# KiCad board TEC.kicad_pcb
title: 4 Channel TEC Controller; date: 2021-05-07; rev: A; company: Brian Pepin
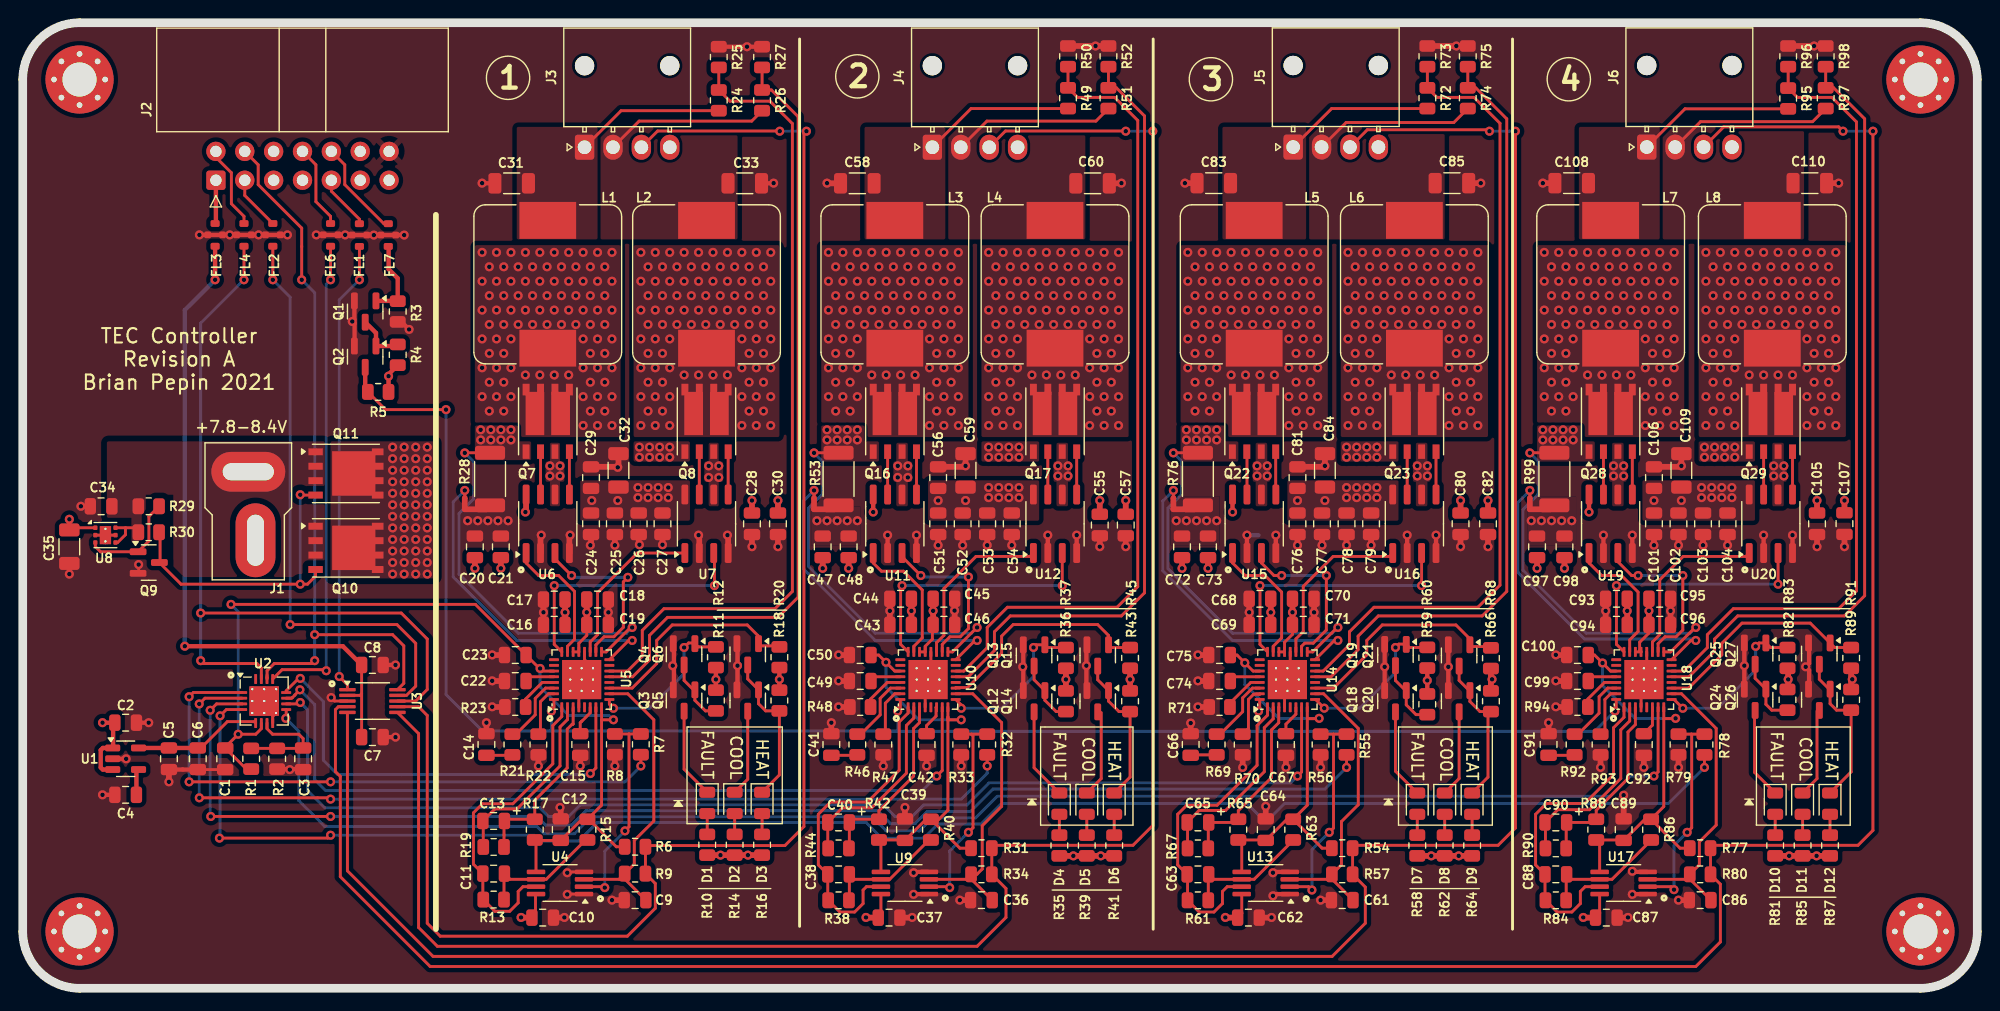
[diagram p0: board, top side]
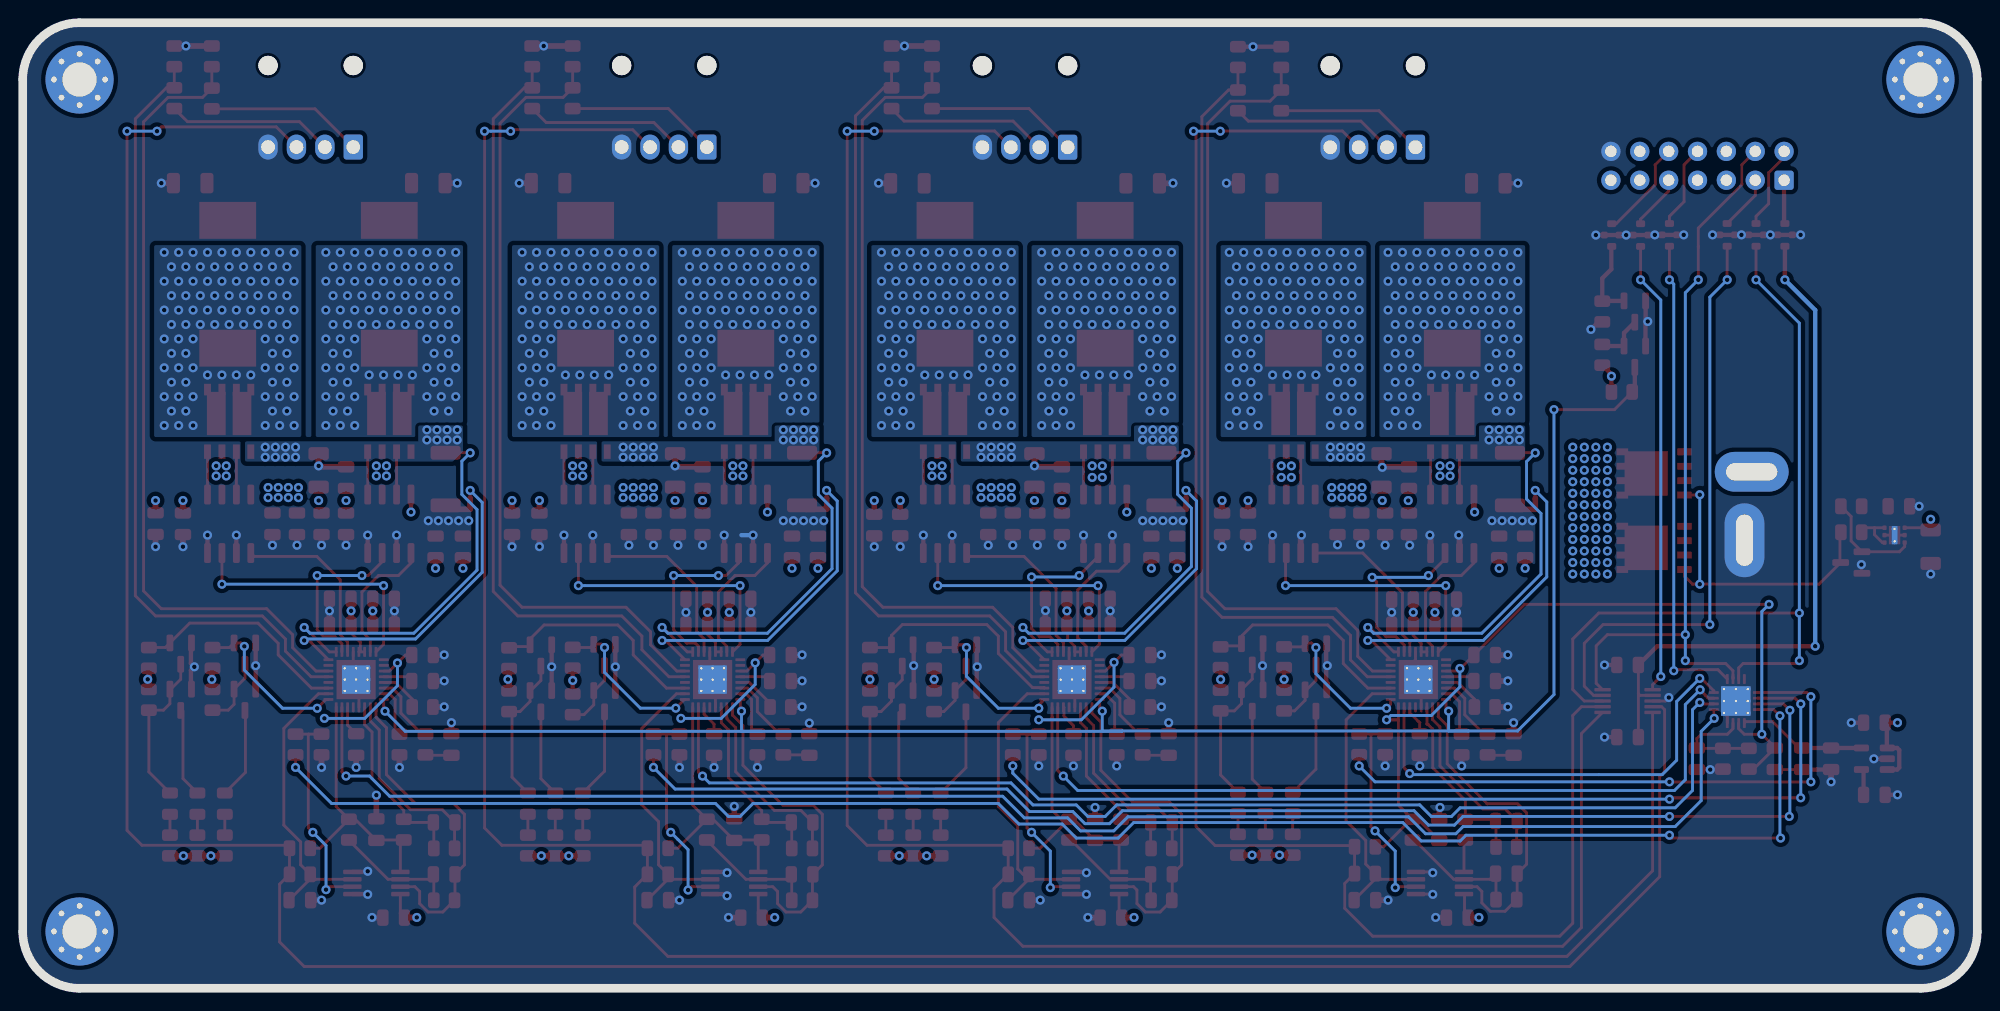
[diagram p1: board, bottom side, seen from below]

Outline 172 x 85 mm; copper layers: Top, In1.Cu (plane), In2.Cu (plane), Bottom. Coordinates in mm from the lower left corner of the outline.
Outline path: 0,80 0,5 arc(1.46,1.46) 5,0 167,0 arc(170.54,1.46) 172,5 172,80 arc(170.54,83.54) 167,85 5,85 arc(1.46,83.54) 0,80
Stack: Top 0.035mm / dielectric 0.48mm FR4 er 4.5 / In1.Cu 0.035mm / dielectric 0.48mm FR4 er 4.5 / In2.Cu 0.035mm / dielectric 0.48mm FR4 er 4.5 / Bottom 0.035mm

## Placement (name value [footprint] x y rotation side)
C1  .1uF  [C_0805_2012Metric]  17.82 20.21 90 top
C2  1uF  [C_0805_2012Metric]  9.05 23.38 0 top
C3  .1uF  [C_0805_2012Metric]  24.68 20.21 90 top
C4  1uF  [C_0805_2012Metric]  9.05 17.03 0 top
C5  1uF  [C_0805_2012Metric]  12.87 20.21 90 top
C6  .1uF  [C_0805_2012Metric]  15.41 20.21 90 top
C7  1uF  [C_0805_2012Metric]  30.77 22.11 0 top
C8  .1uF  [C_0805_2012Metric]  30.77 28.46 0 top
C9  .1uF film  [C_0805_2012Metric]  53.89 7.76 180 top
C10  .1uF  [C_0805_2012Metric]  45.76 6.22 180 top
C11  .1uF film  [C_0805_2012Metric]  41.44 10.09 0 top
C12  1uF  [C_0805_2012Metric]  47.35 13.97 90 top
C13  4.7uF tant  [C_0805_2012Metric]  41.44 14.73 180 top
C14  .1uF  [C_0805_2012Metric]  40.81 21.46 90 top
C15  1uF  [C_0805_2012Metric]  49.06 21.46 90 top
C16  .1uF  [C_0805_2012Metric]  46.77 32 0 top
C17  .1uF  [C_0805_2012Metric]  46.77 34.22 0 top
C18  10uF  [C_0805_2012Metric]  50.58 34.22 180 top
C19  10uF  [C_0805_2012Metric]  50.58 32 180 top
C20  .1uF  [C_0805_2012Metric]  39.79 38.86 270 top
C21  4.7uF  [C_0805_2012Metric]  42.08 38.86 270 top
C22  150pF  [C_0805_2012Metric]  43.34 27.05 180 top
C23  1uF  [C_0805_2012Metric]  43.34 29.33 180 top
C24  .1uF  [C_0805_2012Metric]  50.01 40.89 90 top
C25  4.7uF  [C_0805_2012Metric]  52.11 40.89 90 top
C26  .1uF  [C_0805_2012Metric]  54.2 40.89 90 top
C27  4.7uF  [C_0805_2012Metric]  56.3 40.89 90 top
C28  .1uF  [C_0805_2012Metric]  64.17 40.89 90 top
C29  10uF  [C_0805_2012Metric]  50.01 44.95 90 top
C30  4.7uF  [C_0805_2012Metric]  66.46 40.89 90 top
C31  22uF  [C_1206_3216Metric]  43.03 70.86 0 top
C32  47uF  [C_1206_3216Metric]  52.43 45.59 90 top
C33  22uF  [C_1206_3216Metric]  63.54 70.86 180 top
C34  10uF  [C_0805_2012Metric]  6.9 42.43 180 top
C35  22uF  [C_1206_3216Metric]  4.1 38.88 90 top
C36  .1uF film  [C_0805_2012Metric]  84.37 7.76 180 top
C37  .1uF  [C_0805_2012Metric]  76.24 6.22 180 top
C38  .1uF film  [C_0805_2012Metric]  71.79 10.03 0 top
C39  1uF  [C_0805_2012Metric]  77.64 13.97 90 top
C40  4.7uF tant  [C_0805_2012Metric]  71.79 14.6 180 top
C41  .1uF  [C_0805_2012Metric]  71.16 21.46 90 top
C42  1uF  [C_0805_2012Metric]  79.54 21.46 90 top
C43  .1uF  [C_0805_2012Metric]  77.25 32 0 top
C44  .1uF  [C_0805_2012Metric]  77.25 34.29 0 top
C45  10uF  [C_0805_2012Metric]  81.06 34.29 180 top
C46  10uF  [C_0805_2012Metric]  81.06 32 180 top
C47  .1uF  [C_0805_2012Metric]  70.4 38.86 270 top
C48  4.7uF  [C_0805_2012Metric]  72.68 38.86 270 top
C49  150pF  [C_0805_2012Metric]  73.7 27.05 180 top
C50  1uF  [C_0805_2012Metric]  73.7 29.33 180 top
C51  .1uF  [C_0805_2012Metric]  80.56 40.89 90 top
C52  4.7uF  [C_0805_2012Metric]  82.72 40.89 90 top
C53  .1uF  [C_0805_2012Metric]  84.87 40.89 90 top
C54  4.7uF  [C_0805_2012Metric]  87.03 40.89 90 top
C55  .1uF  [C_0805_2012Metric]  94.78 40.78 90 top
C56  10uF  [C_0805_2012Metric]  80.56 44.95 90 top
C57  4.7uF  [C_0805_2012Metric]  97.07 40.78 90 top
C58  22uF  [C_1206_3216Metric]  73.44 70.86 0 top
C59  47uF  [C_1206_3216Metric]  82.97 45.59 90 top
C60  22uF  [C_1206_3216Metric]  94.15 70.86 180 top
C61  .1uF film  [C_0805_2012Metric]  116.12 7.76 180 top
C62  .1uF  [C_0805_2012Metric]  107.86 6.22 180 top
C63  .1uF film  [C_0805_2012Metric]  103.42 10.03 0 top
C64  1uF  [C_0805_2012Metric]  109.38 13.97 90 top
C65  4.7uF tant  [C_0805_2012Metric]  103.42 14.6 180 top
C66  .1uF  [C_0805_2012Metric]  102.78 21.46 90 top
C67  1uF  [C_0805_2012Metric]  111.16 21.46 90 top
C68  .1uF  [C_0805_2012Metric]  108.88 34.29 0 top
C69  .1uF  [C_0805_2012Metric]  108.88 32 0 top
C70  10uF  [C_0805_2012Metric]  112.69 34.29 180 top
C71  10uF  [C_0805_2012Metric]  112.69 32 180 top
C72  .1uF  [C_0805_2012Metric]  102.02 38.86 270 top
C73  4.7uF  [C_0805_2012Metric]  104.31 38.86 270 top
C74  150pF  [C_0805_2012Metric]  105.32 27.05 180 top
C75  1uF  [C_0805_2012Metric]  105.32 29.33 180 top
C76  .1uF  [C_0805_2012Metric]  112.18 40.89 90 top
C77  4.7uF  [C_0805_2012Metric]  114.34 40.89 90 top
C78  .1uF  [C_0805_2012Metric]  116.5 40.89 90 top
C79  4.7uF  [C_0805_2012Metric]  118.66 40.89 90 top
C80  .1uF  [C_0805_2012Metric]  126.53 40.89 90 top
C81  10uF  [C_0805_2012Metric]  112.18 44.95 90 top
C82  4.7uF  [C_0805_2012Metric]  128.94 40.89 90 top
C83  22uF  [C_1206_3216Metric]  104.81 70.88 0 top
C84  47uF  [C_1206_3216Metric]  114.59 45.59 90 top
C85  22uF  [C_1206_3216Metric]  125.77 70.88 180 top
C86  .1uF film  [C_0805_2012Metric]  147.61 7.76 180 top
C87  .1uF  [C_0805_2012Metric]  139.36 6.22 180 top
C88  .1uF film  [C_0805_2012Metric]  134.91 10.03 0 top
C89  1uF  [C_0805_2012Metric]  140.88 13.97 90 top
C90  4.7uF tant  [C_0805_2012Metric]  134.91 14.6 180 top
C91  .1uF  [C_0805_2012Metric]  134.28 21.46 90 top
C92  1uF  [C_0805_2012Metric]  142.66 21.46 90 top
C93  .1uF  [C_0805_2012Metric]  140.25 34.29 0 top
C94  .1uF  [C_0805_2012Metric]  140.25 32 0 top
C95  10uF  [C_0805_2012Metric]  144.06 34.29 180 top
C96  10uF  [C_0805_2012Metric]  144.06 32 180 top
C97  .1uF  [C_0805_2012Metric]  133.26 38.86 270 top
C98  4.7uF  [C_0805_2012Metric]  135.67 38.86 270 top
C99  150pF  [C_0805_2012Metric]  136.82 27.05 180 top
C100  1uF  [C_0805_2012Metric]  136.82 29.33 180 top
C101  .1uF  [C_0805_2012Metric]  143.55 40.89 90 top
C102  4.7uF  [C_0805_2012Metric]  145.71 40.89 90 top
C103  .1uF  [C_0805_2012Metric]  147.87 40.89 90 top
C104  4.7uF  [C_0805_2012Metric]  150.03 40.89 90 top
C105  .1uF  [C_0805_2012Metric]  157.9 40.89 90 top
C106  10uF  [C_0805_2012Metric]  143.55 44.95 90 top
C107  4.7uF  [C_0805_2012Metric]  160.31 40.91 90 top
C108  22uF  [C_1206_3216Metric]  136.31 70.88 0 top
C109  47uF  [C_1206_3216Metric]  145.96 45.59 90 top
C110  22uF  [C_1206_3216Metric]  157.26 70.88 180 top
D1  RED  [LED_0805_2012Metric]  60.24 16.32 270 top
D2  BLU  [LED_0805_2012Metric]  62.65 16.32 270 top
D3  YEL  [LED_0805_2012Metric]  65.06 16.32 270 top
D4  RED  [LED_0805_2012Metric]  91.22 16.25 270 top
D5  BLU  [LED_0805_2012Metric]  93.64 16.25 270 top
D6  YEL  [LED_0805_2012Metric]  96.05 16.25 270 top
D7  RED  [LED_0805_2012Metric]  122.72 16.25 270 top
D8  BLU  [LED_0805_2012Metric]  125.13 16.25 270 top
D9  YEL  [LED_0805_2012Metric]  127.55 16.25 270 top
D10  RED  [LED_0805_2012Metric]  154.22 16.25 270 top
D11  BLU  [LED_0805_2012Metric]  156.63 16.25 270 top
D12  YEL  [LED_0805_2012Metric]  159.04 16.25 270 top
FL1  NFL21SP206X1C7D  [EMI_805]  29.63 66.31 90 top
FL2  NFL21SP206X1C7D  [EMI_805]  22.01 66.32 90 top
FL3  NFL21SP206X1C7D  [EMI_805]  16.93 66.32 90 top
FL4  NFL21SP206X1C7D  [EMI_805]  19.47 66.32 90 top
FL6  NFL21SP206X1C7D  [EMI_805]  27.09 66.32 90 top
FL7  NFL21SP206X1C7D  [EMI_805]  32.17 66.31 90 top
H1  MountingHole_Pad  [MountingHole_3mm_Pad_Via]  167 80 0 top
H2  MountingHole_Pad  [MountingHole_3mm_Pad_Via]  5 80 0 top
H3  MountingHole_Pad  [MountingHole_3mm_Pad_Via]  5 5 0 top
H4  MountingHole_Pad  [MountingHole_3mm_Pad_Via]  167 5 0 top
J1  DEANS  [Connector_Deans_Male]  19.85 42.94 0 top
J2  Data  [IDC-Header_2x07_P2.54mm_Horizontal]  17 71.13 90 top
J3  Conn_01x04  [Molex_Nano-Fit_105313-xx04_1x04_P2.50mm_Horizontal]  49.44 74.04 90 top
J4  Conn_01x04  [Molex_Nano-Fit_105313-xx04_1x04_P2.50mm_Horizontal]  80.05 74.04 90 top
J5  Conn_01x04  [Molex_Nano-Fit_105313-xx04_1x04_P2.50mm_Horizontal]  111.8 74.05 90 top
J6  Conn_01x04  [Molex_Nano-Fit_105313-xx04_1x04_P2.50mm_Horizontal]  142.91 74.05 90 top
L1  10uH  [L_Pulse_PA4343_2]  46.2 61.97 90 top
L2  10uH  [L_Pulse_PA4343_2]  60.17 61.97 270 top
L3  10uH  [L_Pulse_PA4343_2]  76.75 61.97 90 top
L4  10uH  [L_Pulse_PA4343_2]  90.84 61.97 270 top
L5  10uH  [L_Pulse_PA4343_2]  108.37 61.97 90 top
L6  10uH  [L_Pulse_PA4343_2]  122.47 61.97 270 top
L7  10uH  [L_Pulse_PA4343_2]  139.74 61.97 90 top
L8  10uH  [L_Pulse_PA4343_2]  153.96 61.97 270 top
NT1  Net-Tie_2  [NetTie-2_SMD_Pad0.5mm]  38.9 42.67 270 top
NT2  Net-Tie_2  [NetTie-2_SMD_Pad0.5mm]  69.63 42.67 270 top
NT3  Net-Tie_2  [NetTie-2_SMD_Pad0.5mm]  101.26 42.67 270 top
NT4  Net-Tie_2  [NetTie-2_SMD_Pad0.5mm]  132.63 42.67 270 top
Q1  2N7002PW  [SOT-23]  30.14 59.58 270 top
Q2  2N7002PW  [SOT-23]  30.14 55.6 270 top
Q3  2N7002PW  [SOT-23]  58.2 25.33 270 top
Q4  2N7002PW  [SOT-23]  58.2 29.4 270 top
Q5  2N7002PW  [SOT-23]  63.8 25.33 270 top
Q6  2N7002PW  [SOT-23]  63.8 29.4 270 top
Q7  SQJ504EP  [PowerPAK_SO-8_Dual]  46.2 49.91 90 top
Q8  SQJ504EP  [PowerPAK_SO-8_Dual]  60.17 49.91 90 top
Q9  2N7002PW  [SOT-23]  11.09 37.48 0 top
Q10  Si7141DP  [PowerPAK_SO-8_Single]  28.44 38.77 0 top
Q11  Si7141DP  [PowerPAK_SO-8_Single]  28.44 45.32 0 top
Q12  2N7002PW  [SOT-23]  89 25.27 270 top
Q13  2N7002PW  [SOT-23]  89 29.3 270 top
Q14  2N7002PW  [SOT-23]  94.6 25.27 270 top
Q15  2N7002PW  [SOT-23]  94.6 29.3 270 top
Q16  SQJ504EP  [PowerPAK_SO-8_Dual]  76.75 49.91 90 top
Q17  SQJ504EP  [PowerPAK_SO-8_Dual]  90.84 49.91 90 top
Q18  2N7002PW  [SOT-23]  120.8 25.27 270 top
Q19  2N7002PW  [SOT-23]  120.8 29.34 270 top
Q20  2N7002PW  [SOT-23]  126.4 25.27 270 top
Q21  2N7002PW  [SOT-23]  126.4 29.3 270 top
Q22  SQJ504EP  [PowerPAK_SO-8_Dual]  108.36 49.91 90 top
Q23  SQJ504EP  [PowerPAK_SO-8_Dual]  122.47 49.91 90 top
Q24  2N7002PW  [SOT-23]  152.45 25.4 270 top
Q25  2N7002PW  [SOT-23]  152.45 29.46 270 top
Q26  2N7002PW  [SOT-23]  158.1 25.4 270 top
Q27  2N7002PW  [SOT-23]  158.1 29.46 270 top
Q28  SQJ504EP  [PowerPAK_SO-8_Dual]  139.74 49.91 90 top
Q29  SQJ504EP  [PowerPAK_SO-8_Dual]  153.84 49.91 90 top
R1  10k  [R_0805_2012Metric]  20.1 20.21 90 top
R2  10k  [R_0805_2012Metric]  22.39 20.21 270 top
R3  100k  [R_0805_2012Metric]  33 59.58 90 top
R4  100k  [R_0805_2012Metric]  33 55.77 270 top
R5  100k  [R_0805_2012Metric]  31.28 52.5 0 top
R6  15.4k 1%  [R_0805_2012Metric]  53.89 12.46 0 top
R7  6.65k 1%  [R_0805_2012Metric]  54.39 21.48 270 top
R8  13.3k 1%  [R_0805_2012Metric]  52.11 21.48 90 top
R9  10k 1%  [R_0805_2012Metric]  53.89 10.09 0 top
R10  1.5k  [R_0805_2012Metric]  60.24 12.63 270 top
R11  100k  [R_0805_2012Metric]  61 25.33 90 top
R12  100k  [R_0805_2012Metric]  61 29.14 270 top
R13  9.09k 1%  [R_0805_2012Metric]  41.44 7.81 0 top
R14  1.5k  [R_0805_2012Metric]  62.65 12.63 270 top
R15  1k 1%  [R_0805_2012Metric]  49.69 13.97 270 top
R16  1.5k  [R_0805_2012Metric]  65.06 12.63 270 top
R17  1M 1%  [R_0805_2012Metric]  45.06 13.97 270 top
R18  100k  [R_0805_2012Metric]  66.59 25.33 90 top
R19  10M 1%  [R_0805_2012Metric]  41.44 12.44 0 top
R20  100k  [R_0805_2012Metric]  66.59 29.14 270 top
R21  10k  [R_0805_2012Metric]  43.09 21.46 270 top
R22  82k  [R_0805_2012Metric]  45.38 21.46 270 top
R23  10k  [R_0805_2012Metric]  43.34 24.76 0 top
R24  8060  [R_0805_2012Metric]  61.25 78.17 270 top
R25  2050  [R_0805_2012Metric]  61.25 81.98 270 top
R26  8060  [R_0805_2012Metric]  65.06 78.17 270 top
R27  2050  [R_0805_2012Metric]  65.06 81.98 270 top
R28  .010  [R_2010_5025Metric]  41.12 44.83 90 top
R29  100k  [R_0805_2012Metric]  11.09 42.43 180 top
R30  100k  [R_0805_2012Metric]  11.09 40.14 180 top
R31  15.4k 1%  [R_0805_2012Metric]  84.37 12.33 0 top
R32  6.65k 1%  [R_0805_2012Metric]  84.87 21.46 270 top
R33  13.3k 1%  [R_0805_2012Metric]  82.59 21.46 90 top
R34  10k 1%  [R_0805_2012Metric]  84.37 10.03 0 top
R35  1.5k  [R_0805_2012Metric]  91.22 12.57 270 top
R36  100k  [R_0805_2012Metric]  91.8 25.27 90 top
R37  100k  [R_0805_2012Metric]  91.8 29.08 270 top
R38  9.09k 1%  [R_0805_2012Metric]  71.79 7.74 0 top
R39  1.5k  [R_0805_2012Metric]  93.64 12.57 270 top
R40  1k 1%  [R_0805_2012Metric]  79.92 13.97 270 top
R41  1.5k  [R_0805_2012Metric]  96.05 12.57 270 top
R42  1M 1%  [R_0805_2012Metric]  75.35 13.97 270 top
R43  100k  [R_0805_2012Metric]  97.45 25.27 90 top
R44  10M 1%  [R_0805_2012Metric]  71.79 12.32 0 top
R45  100k  [R_0805_2012Metric]  97.45 29.08 270 top
R46  10k  [R_0805_2012Metric]  73.44 21.46 270 top
R47  82k  [R_0805_2012Metric]  75.73 21.46 270 top
R48  10k  [R_0805_2012Metric]  73.7 24.76 0 top
R49  8060  [R_0805_2012Metric]  91.99 78.36 270 top
R50  2050  [R_0805_2012Metric]  91.99 82.04 270 top
R51  8060  [R_0805_2012Metric]  95.54 78.36 270 top
R52  2050  [R_0805_2012Metric]  95.54 82.04 270 top
R53  .010  [R_2010_5025Metric]  71.79 44.83 90 top
R54  15.4k 1%  [R_0805_2012Metric]  116.12 12.33 0 top
R55  6.65k 1%  [R_0805_2012Metric]  116.5 21.46 270 top
R56  13.3k 1%  [R_0805_2012Metric]  114.21 21.46 90 top
R57  10k 1%  [R_0805_2012Metric]  116.12 10.03 0 top
R58  1.5k  [R_0805_2012Metric]  122.72 12.57 270 top
R59  100k  [R_0805_2012Metric]  123.6 25 90 top
R60  100k  [R_0805_2012Metric]  123.6 29.1 270 top
R61  9.09k 1%  [R_0805_2012Metric]  103.42 7.74 0 top
R62  1.5k  [R_0805_2012Metric]  125.13 12.57 270 top
R63  1k 1%  [R_0805_2012Metric]  111.8 13.97 270 top
R64  1.5k  [R_0805_2012Metric]  127.55 12.57 270 top
R65  1M 1%  [R_0805_2012Metric]  106.97 13.97 270 top
R66  100k  [R_0805_2012Metric]  129.2 25.27 90 top
R67  10M 1%  [R_0805_2012Metric]  103.42 12.32 0 top
R68  100k  [R_0805_2012Metric]  129.2 29.06 270 top
R69  10k  [R_0805_2012Metric]  105.07 21.46 270 top
R70  82k  [R_0805_2012Metric]  107.35 21.46 270 top
R71  10k  [R_0805_2012Metric]  105.32 24.76 0 top
R72  8060  [R_0805_2012Metric]  123.61 78.36 270 top
R73  2050  [R_0805_2012Metric]  123.61 82.04 270 top
R74  8060  [R_0805_2012Metric]  127.16 78.36 270 top
R75  2050  [R_0805_2012Metric]  127.16 82.04 270 top
R76  .010  [R_2010_5025Metric]  103.42 44.83 90 top
R77  15.4k 1%  [R_0805_2012Metric]  147.61 12.33 0 top
R78  6.65k 1%  [R_0805_2012Metric]  147.99 21.46 270 top
R79  13.3k 1%  [R_0805_2012Metric]  145.71 21.46 90 top
R80  10k 1%  [R_0805_2012Metric]  147.61 10.03 0 top
R81  1.5k  [R_0805_2012Metric]  154.22 12.57 270 top
R82  100k  [R_0805_2012Metric]  155.3 25.4 90 top
R83  100k  [R_0805_2012Metric]  155.3 29.08 270 top
R84  9.09k 1%  [R_0805_2012Metric]  134.91 7.74 0 top
R85  1.5k  [R_0805_2012Metric]  156.63 12.57 270 top
R86  1k 1%  [R_0805_2012Metric]  143.29 13.97 270 top
R87  1.5k  [R_0805_2012Metric]  159.04 12.57 270 top
R88  1M 1%  [R_0805_2012Metric]  138.47 13.97 270 top
R89  100k  [R_0805_2012Metric]  160.9 25.4 90 top
R90  10M 1%  [R_0805_2012Metric]  134.91 12.32 0 top
R91  100k  [R_0805_2012Metric]  160.9 29.08 270 top
R92  10k  [R_0805_2012Metric]  136.56 21.46 270 top
R93  82k  [R_0805_2012Metric]  138.85 21.46 270 top
R94  10k  [R_0805_2012Metric]  136.82 24.76 0 top
R95  8060  [R_0805_2012Metric]  155.36 78.33 270 top
R96  2050  [R_0805_2012Metric]  155.36 82.04 270 top
R97  8060  [R_0805_2012Metric]  158.66 78.36 270 top
R98  2050  [R_0805_2012Metric]  158.66 82.04 270 top
R99  .010  [R_2010_5025Metric]  134.78 44.83 90 top
U1  LP3985-3.0  [SOT-23-5]  9.05 20.21 0 top
U2  DAC108S085CISQ  [WQFN-16-1EP_4x4mm_P0.5mm_EP2.6x2.6mm_ThermalVias]  21.25 25.29 0 top
U3  ADC104S021  [VSSOP-10_3x3mm_P0.5mm]  30.77 25.29 0 top
U4  LTC2053  [MSOP-8_3x3mm_P0.65mm]  47.28 9.27 180 top
U5  LTC1923EUH  [QFN-32-1EP_5x5mm_P0.5mm_EP3.45x3.45mm_ThermalVias]  49.19 27.17 90 top
U6  LTC1693-1  [SO-8_3.9x4.9mm_P1.27mm]  46.2 40.89 90 top
U7  LTC1693-1  [SO-8_3.9x4.9mm_P1.27mm]  60.17 40.89 90 top
U8  TPS7A26  [WSON-6-1EP_2x2mm_P0.65mm_EP1x1.6mm_ThermalVias]  7.28 39.89 0 top
U9  LTC2053  [MSOP-8_3x3mm_P0.65mm]  77.64 9.27 180 top
U10  LTC1923EUH  [QFN-32-1EP_5x5mm_P0.5mm_EP3.45x3.45mm_ThermalVias]  79.67 27.17 90 top
U11  LTC1693-1  [SO-8_3.9x4.9mm_P1.27mm]  76.75 40.89 90 top
U12  LTC1693-1  [SO-8_3.9x4.9mm_P1.27mm]  90.84 40.89 90 top
U13  LTC2053  [MSOP-8_3x3mm_P0.65mm]  109.38 9.27 180 top
U14  LTC1923EUH  [QFN-32-1EP_5x5mm_P0.5mm_EP3.45x3.45mm_ThermalVias]  111.29 27.17 90 top
U15  LTC1693-1  [SO-8_3.9x4.9mm_P1.27mm]  108.37 40.89 90 top
U16  LTC1693-1  [SO-8_3.9x4.9mm_P1.27mm]  122.47 40.89 90 top
U17  LTC2053  [MSOP-8_3x3mm_P0.65mm]  140.88 9.27 180 top
U18  LTC1923EUH  [QFN-32-1EP_5x5mm_P0.5mm_EP3.45x3.45mm_ThermalVias]  142.66 27.17 90 top
U19  LTC1693-1  [SO-8_3.9x4.9mm_P1.27mm]  139.74 40.89 90 top
U20  LTC1693-1  [SO-8_3.9x4.9mm_P1.27mm]  153.84 40.89 90 top

## Library data of the parts
C1 C3 C6 C8 C10 C14 C16 C17 C20 C24 C26 C28 C37 C41 C43 C44 C47 C51 C53 C55 C62 C66 C68 C69 C72 C76 C78 C80 C87 C91 C93 C94 C97 C101 C103 C105 = -: Description: Unpolarized capacitor; PartNo: VJ0805Y104KXXAT; ki_fp_filters: C_*
C2 C4 C5 C7 C12 C15 C23 C39 C42 C50 C64 C67 C75 C89 C92 C100 = -: Description: Unpolarized capacitor; PartNo: UMF212B7105KGHT; ki_fp_filters: C_*
C9 C11 C36 C38 C61 C63 C86 C88 = -: Description: Unpolarized capacitor; PartNo: FCA0805C104M-J2; ki_fp_filters: C_*
C13 C40 C65 C90 = -: Description: Polarized capacitor; PartNo: T529P475M025AAE300; ki_fp_filters: CP_*
C18 C19 C29 C34 C45 C46 C56 C70 C71 C81 C95 C96 C106 = -: Description: Unpolarized capacitor; PartNo: C2012X7S1E106K125AE; ki_fp_filters: C_*
C21 C25 C27 C30 C48 C52 C54 C57 C73 C77 C79 C82 C98 C102 C104 C107 = -: Description: Unpolarized capacitor; PartNo: C0805C475K3RACTU; ki_fp_filters: C_*
C22 C49 C74 C99 = -: Description: Unpolarized capacitor; PartNo: C0805C151J5GACTU; ki_fp_filters: C_*
C31 C33 C35 C58 C60 C83 C85 C108 C110 = -: Description: Unpolarized capacitor; PartNo: 12063D226MAT2A; ki_fp_filters: C_*
C32 C59 C84 C109 = -: Description: Unpolarized capacitor; PartNo: C3216X5R1E476M160AC; ki_fp_filters: C_*
D1 D4 D7 D10 = -: Description: Light emitting diode, filled shape; PartNo: APT2012LSECK/J3-PRV; ki_fp_filters: LED* LED_SMD:* LED_THT:*
D2 D5 D8 D11 = -: Description: Light emitting diode, filled shape; PartNo: 5973605607F; ki_fp_filters: LED* LED_SMD:* LED_THT:*
D3 D6 D9 D12 = -: Description: Light emitting diode, filled shape; PartNo: SM0805YCL; ki_fp_filters: LED* LED_SMD:* LED_THT:*
FL1-FL4 FL6 FL7 = -: Datasheet: http://www.murata.com/~/media/webrenewal/support/library/catalog/products/emc/emifil/c31e.ashx?la=en-gb; Description: EMI T-filter (CLC); ki_fp_filters: Filter* Resonator*
H1-H4 = -: Description: Mounting Hole with connection; ki_fp_filters: MountingHole*Pad*
J1 = -: Datasheet: http://cdn.sparkfun.com/datasheets/Prototyping/deans_connector_PRT-11864.pdf; Description: DEANS CONNECTOR
J2 = -: Description: Generic connector, double row, 02x07, odd/even pin numbering scheme (row 1 odd numbers, row 2 even numbers), script generated (kicad-library-utils/schlib/autogen/connector/); PartNo: 2-1761605-5; ki_fp_filters: Connector*:*_2x??_*
J3-J6 = -: Description: Generic connector, single row, 01x04, script generated (kicad-library-utils/schlib/autogen/connector/); PartNo: 105313-1304; ki_fp_filters: Connector*:*_1x??_*
L1-L8 = -: Description: Inductor; PartNo: PA4343.103ANLT; ki_fp_filters: Choke_* *Coil* Inductor_* L_*
NT1-NT4 = -: Description: Net tie, 2 pins; ki_fp_filters: Net*Tie*
Q1-Q6 Q9 Q12-Q15 Q18-Q21 Q24-Q27 = -: Datasheet: https://www.onsemi.com/pub/Collateral/NDS7002A-D.PDF; Description: 0.115A Id, 60V Vds, N-Channel MOSFET, SOT-23; PartNo: 2N7002PW,115; ki_fp_filters: SOT?23*
Q7 Q8 Q16 Q17 Q22 Q23 Q28 Q29 = -: Datasheet: https://www.mouser.com/datasheet/2/427/sqj504ep-1766485.pdf; PartNo: SQJ504EP-T1_GE3
Q10 Q11 = -: Datasheet: https://www.vishay.com/docs/65596/si7141dp.pdf; Description: -60A Id, -20V Vds, 1.9 mOhm Ron, PowerPAK-8; PartNo: SI7141DP-T1-GE3; ki_fp_filters: PowerPAK*SO*Single*
R1 R2 R9 R21 R23 R34 R46 R48 R57 R69 R71 R80 R92 R94 = -: Description: Resistor; PartNo: AC0805FR-0710KL; ki_fp_filters: R_*
R3-R5 R11 R12 R18 R20 R29 R30 R36 R37 R43 R45 R59 R60 R66 R68 R82 R83 R89 R91 = -: Description: Resistor; PartNo: RC0805FR-07100KL; ki_fp_filters: R_*
R6 R31 R54 R77 = -: Description: Resistor; PartNo: ERJ-6ENF1542V; ki_fp_filters: R_*
R7 R32 R55 R78 = -: Description: Resistor; PartNo: ERJ-6ENF6651V; ki_fp_filters: R_*
R8 R33 R56 R79 = -: Description: Resistor; PartNo: CRCW080513K3FKEA; ki_fp_filters: R_*
R10 R14 R16 R35 R39 R41 R58 R62 R64 R81 R85 R87 = -: Description: Resistor; PartNo: CR0805-FX-1501ELF; ki_fp_filters: R_*
R13 R38 R61 R84 = -: Description: Resistor; PartNo: ERJ-6ENF9091V; ki_fp_filters: R_*
R15 R40 R63 R86 = -: Description: Resistor; PartNo: RC0805FR-071KL; ki_fp_filters: R_*
R17 R42 R65 R88 = -: Description: Resistor; PartNo: RK73H2ARTTD1004F; ki_fp_filters: R_*
R19 R44 R67 R90 = -: Description: Resistor; PartNo: CRCW080510M0FKEAC; ki_fp_filters: R_*
R22 R47 R70 R93 = -: Description: Resistor; PartNo: ERJ-6ENF8202V; ki_fp_filters: R_*
R24 R26 R49 R51 R72 R74 R95 R97 = -: Description: Resistor; PartNo: CR0805-FX-8061ELF; ki_fp_filters: R_*
R25 R27 R50 R52 R73 R75 R96 R98 = -: Description: Resistor; PartNo: CR0805-FX-2051ELF; ki_fp_filters: R_*
R28 R53 R76 R99 = -: Description: Resistor; PartNo: TLR2HWDTE10L0F75; ki_fp_filters: R_*
U1 = -: Datasheet: http://www.ti.com/lit/ds/symlink/lp2985.pdf; Description: 150mA 16V Low-noise Low-dropout Regulator With Shutdown, 3.0V output voltage, SOT-23-5; PartNo: LP3985IM5X-3.0/NOPB; ki_fp_filters: SOT?23*